# Altium PCB fyFly _cp1.PcbDoc
Units mm, origin at the board's own origin, x right, y up, seen from the top; angles counter-clockwise.
Board outline 50.08 x 64.97 mm, 4 copper layers (Top Layer, MID1, MID2, Bottom Layer), stack 0.603 mm thick; 98 components, 77 nets, 406 pads, 176 vias.
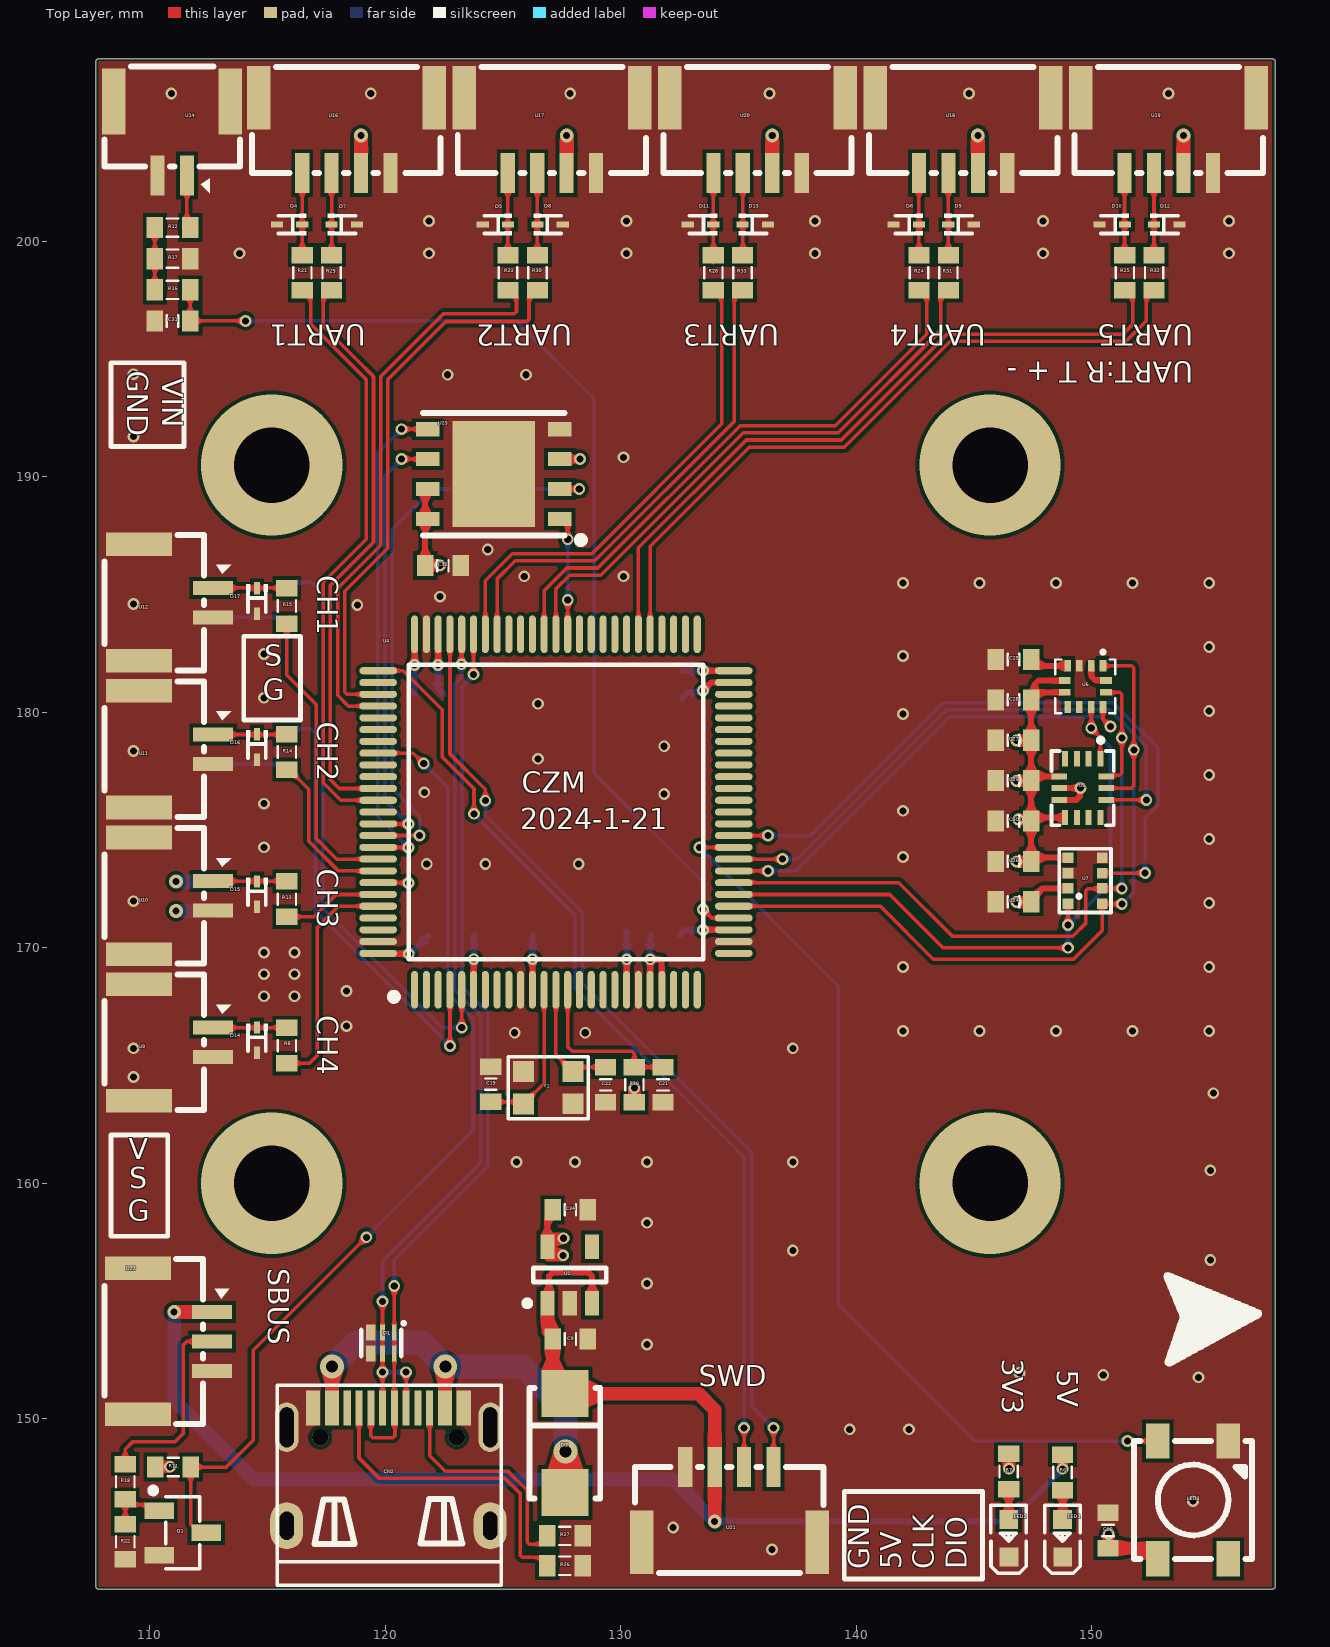
[diagram p0: Top Layer view]
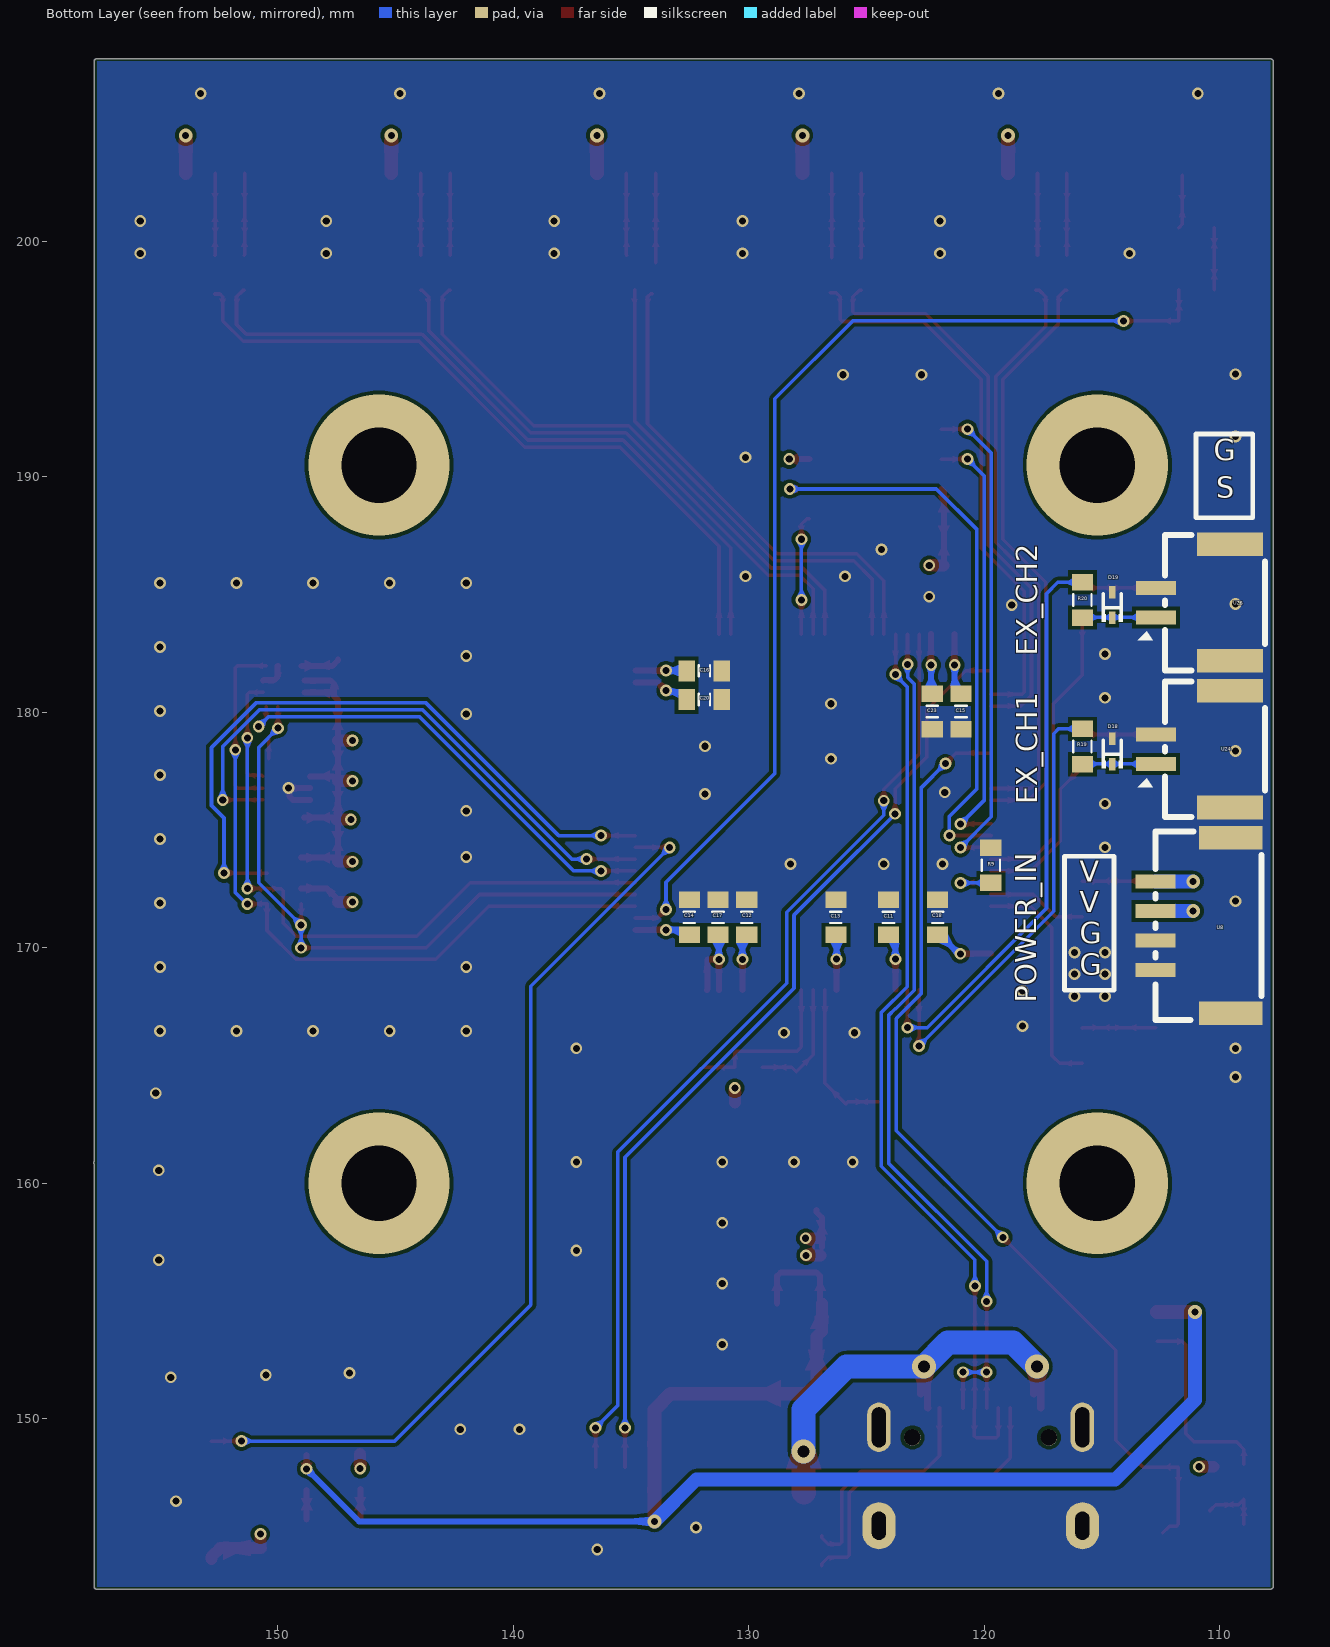
[diagram p1: Bottom Layer view, seen from below]
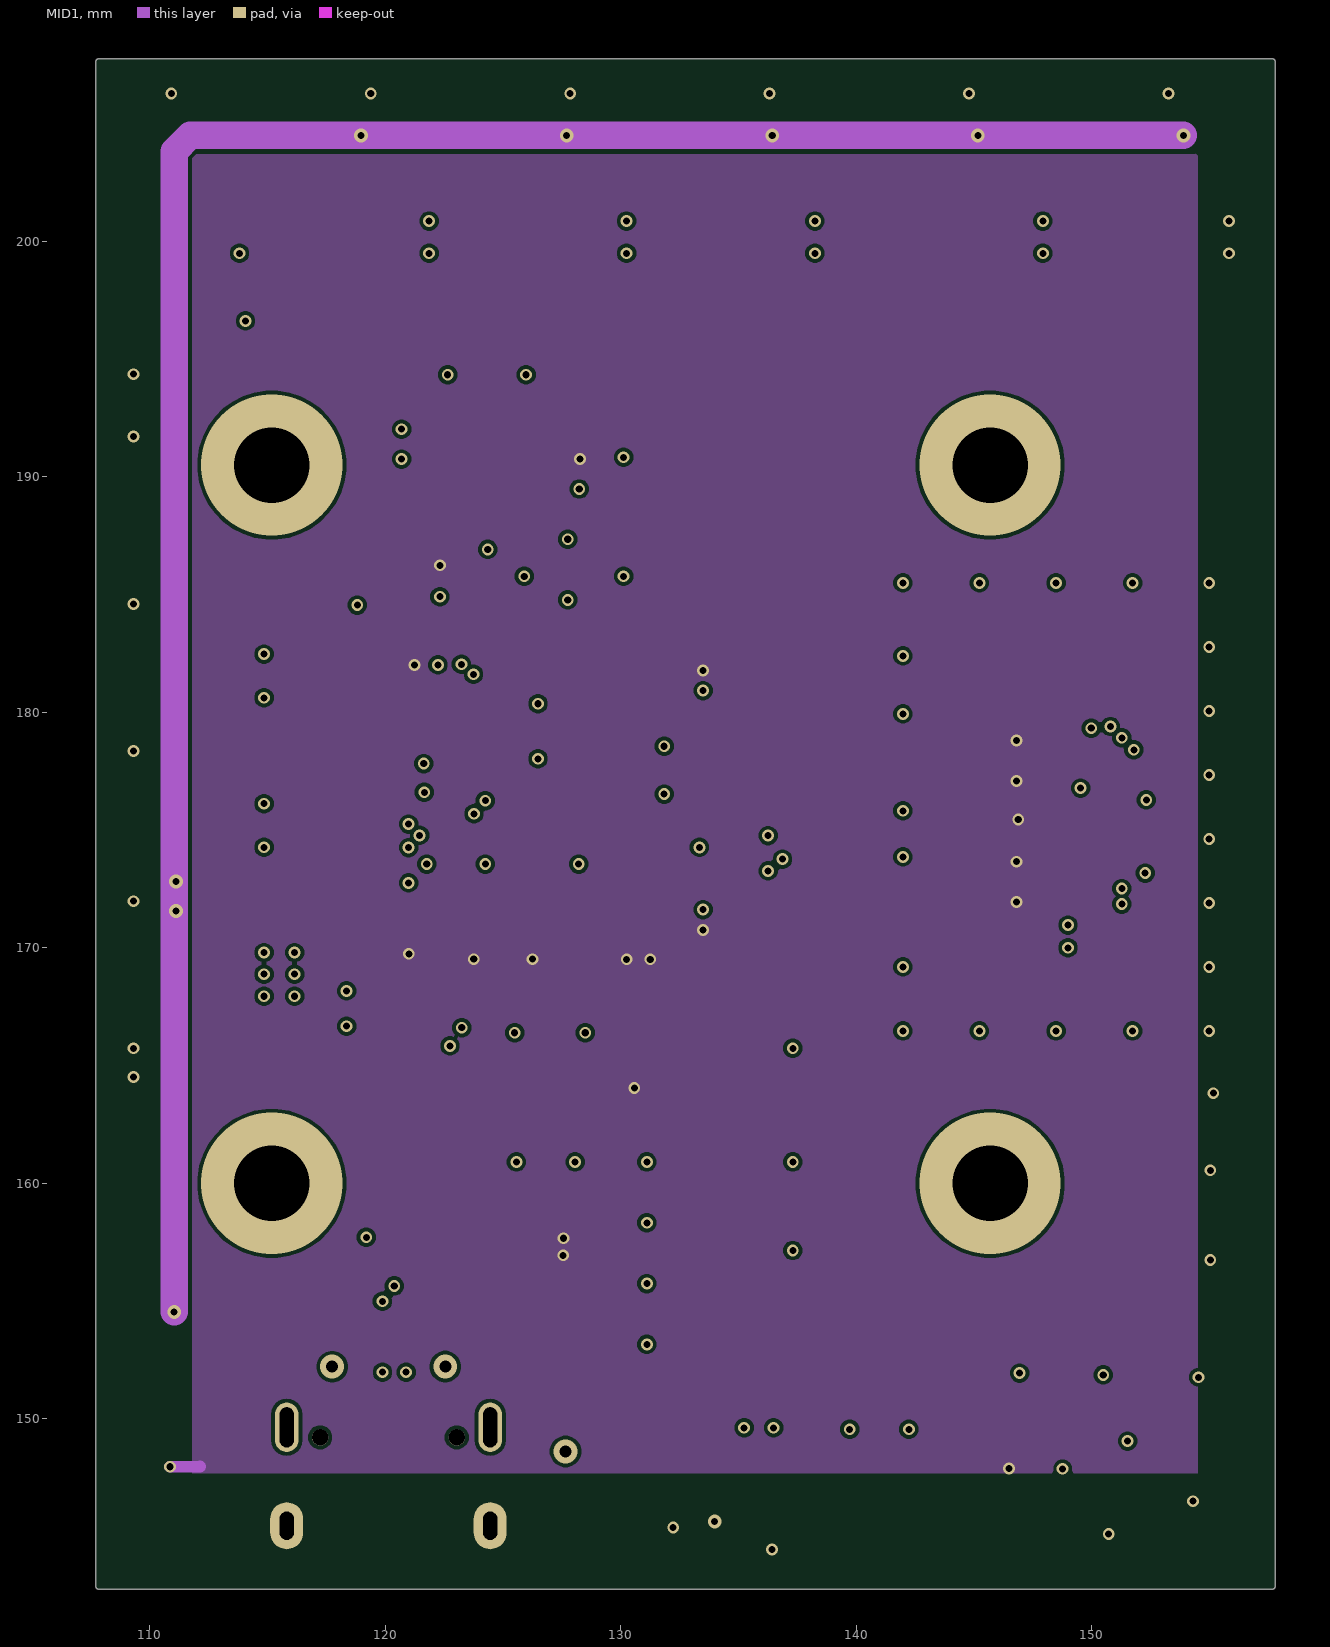
[diagram p2: MID1]
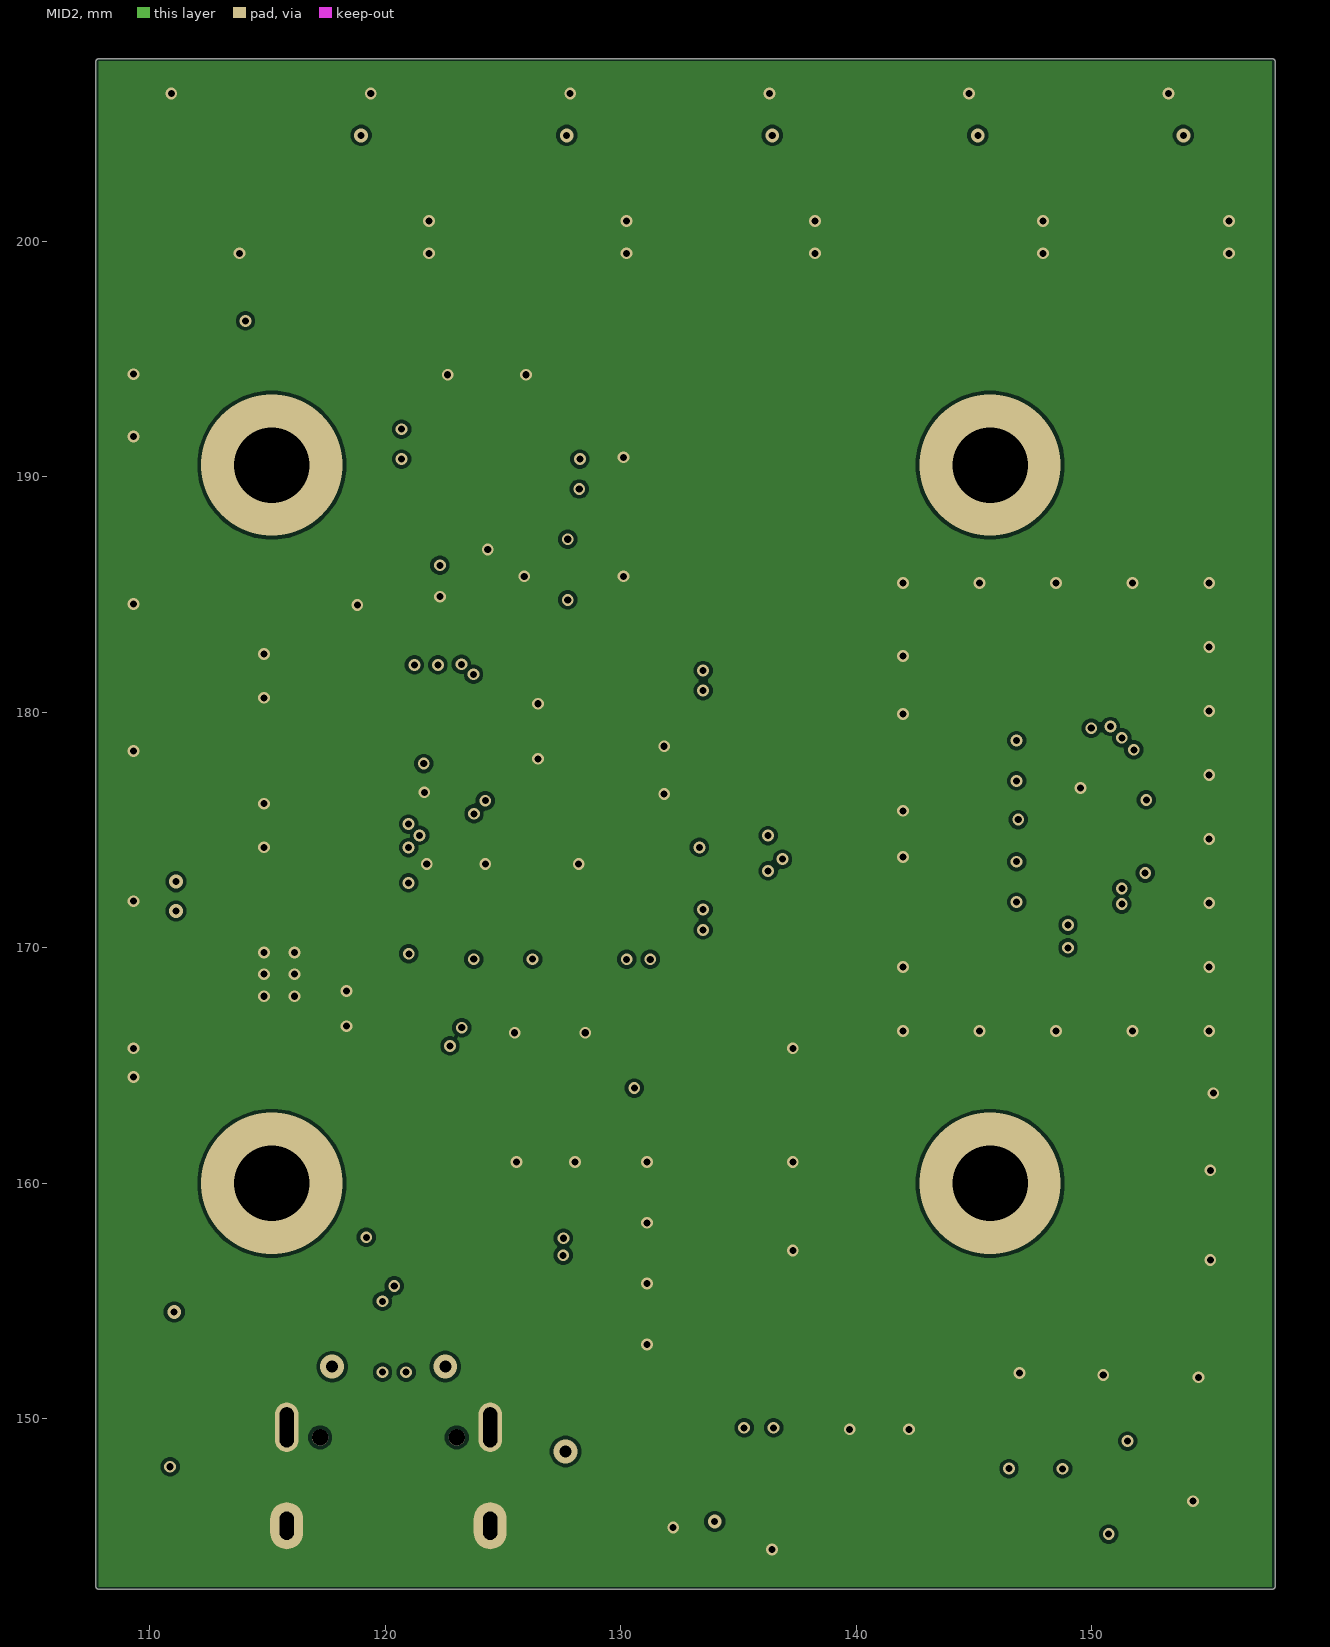
[diagram p3: MID2]
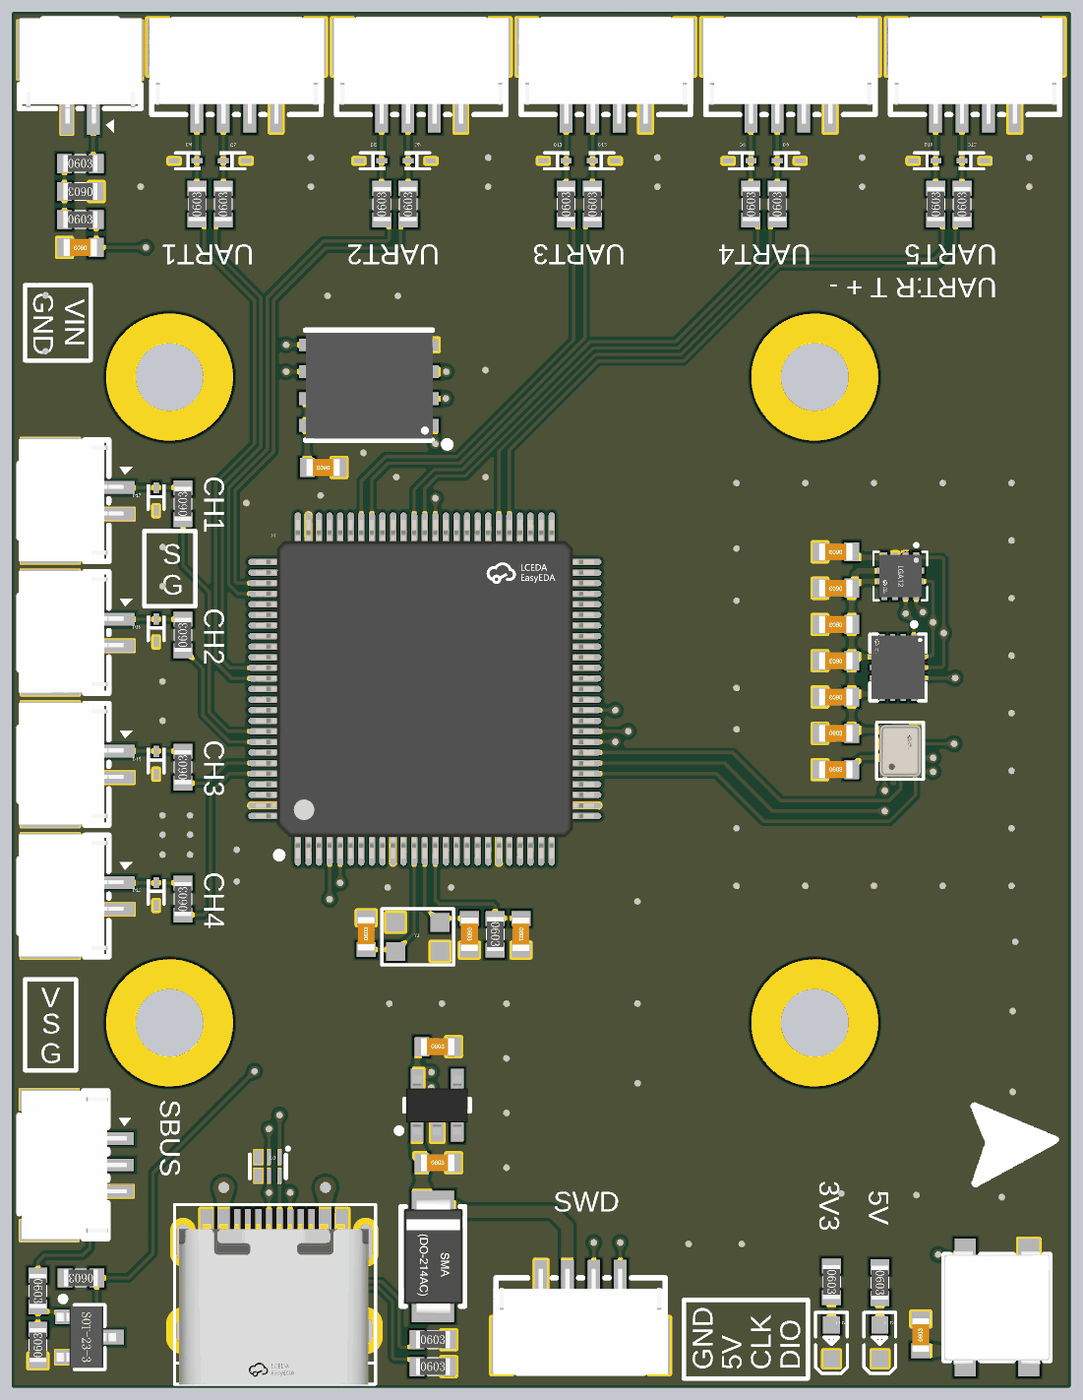
[diagram p4: 3D render of the assembled board from above, using the file's embedded part models]
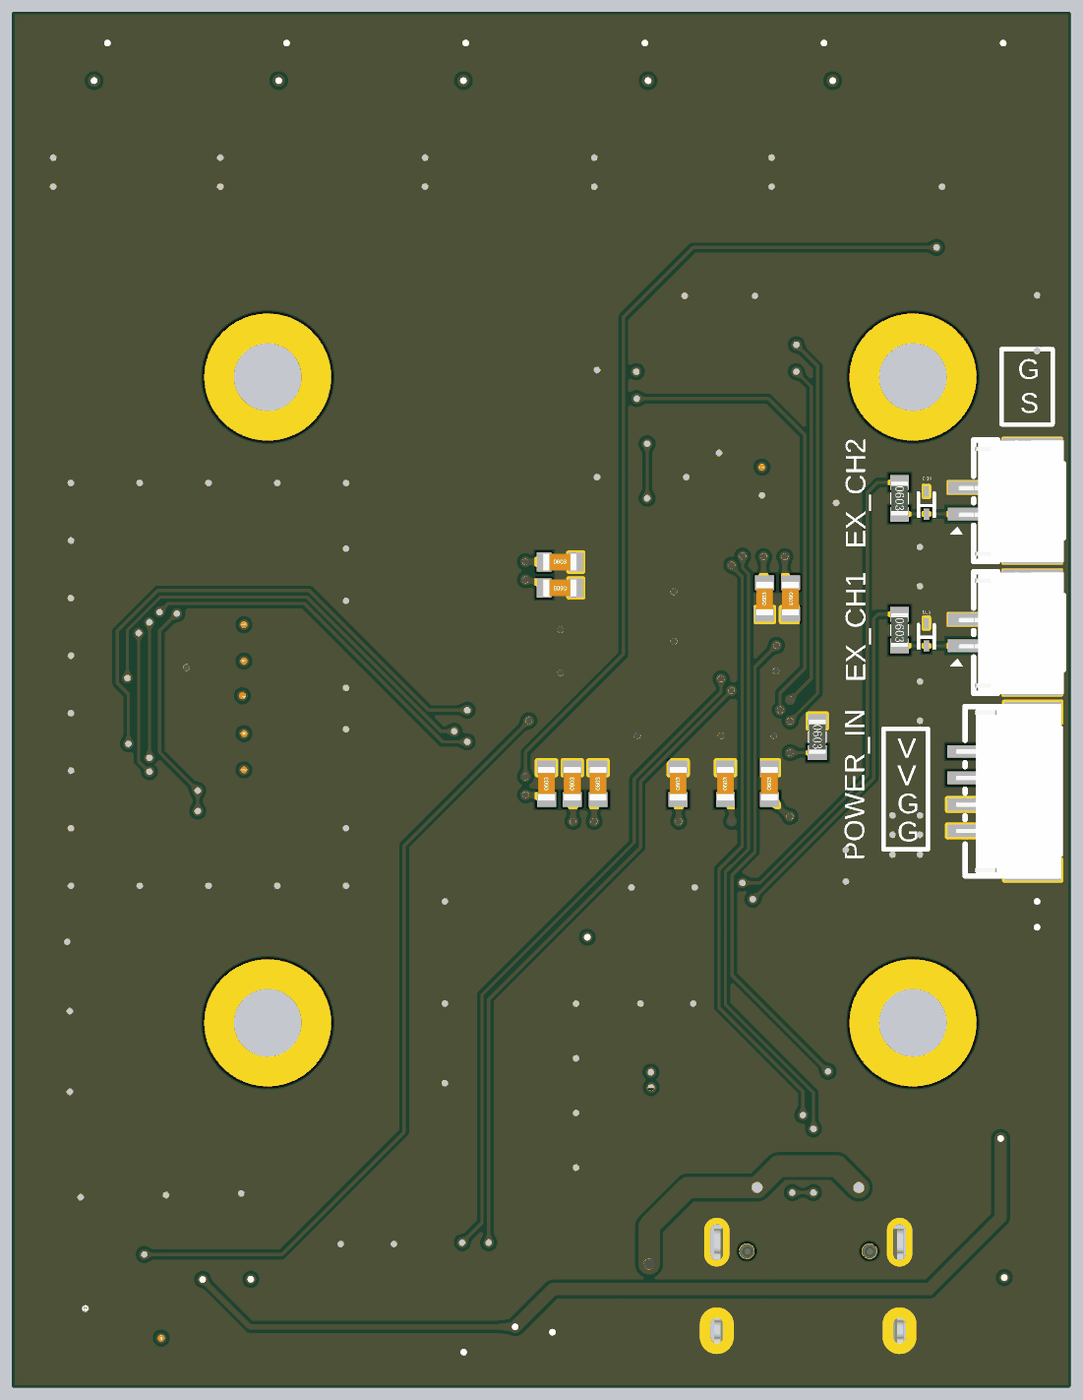
[diagram p5: 3D render of the assembled board from below, using the file's embedded part models]

## Layer stack, top to bottom
Top Solder: solder mask 0.0102, Solder Resist, Dk 3.5
Top Layer: signal copper 0.0356
Dielectric 2: prepreg 0.0711, PP-006, Dk 4.1
MID1: signal copper 0.035
Dielectric 1: dielectric 0.32, FR-4, Dk 4.8
MID2: signal copper 0.035
Dielectric 3: prepreg 0.0711, PP-006, Dk 4.1
Bottom Layer: signal copper 0.0356
Bottom Solder: solder mask 0.0102, Solder Resist, Dk 3.5

## Board outline
107.721,142.875 107.721,207.645 cw(c107.823,207.645) 107.833,207.746 cw(c107.843,207.645) 107.843,207.747 157.689,207.747 cw(c157.689,207.645) 157.791,207.645 157.791,160.913 cw(c157.696,160.877) 157.798,160.877 cw(c157.696,160.877) 157.791,160.841 157.791,142.875 cw(c157.689,142.875) 157.689,142.773 107.823,142.773 cw(c107.823,142.875)

## Design rules (kind name [scope] priority, off if disabled: settings)
Clearance [All] p1: gap=0.152 ignorepadtopadclearanceinfootprint=TRUE except(0: Arc-Hole Track-Hole SMDPad-Hole THPad-Hole Via-Hole Fill-Hole Poly-Hole Region-Hole Text-Hole)
PlaneConnect PlaneConnect_1 [InNet('NetC1_2')] p1: planeconnectstyle=Direct reliefexpansion=0.508 reliefentries=4 reliefconductorwidth=0.254 reliefairgap=0.254
PlaneConnect [All] p2: planeconnectstyle=Direct reliefexpansion=0.508 reliefentries=4 reliefconductorwidth=0.254 reliefairgap=0.254
PolygonConnect PolygonConnect_4 [InNet('VIN_GND')] p1: connectstyle=Direct reliefconductorwidth=0.254 reliefentries=4 polygonreliefangle="90 Angle" airgapwidth=0.254
PolygonConnect PolygonConnect_3 [InNet('VCC-5.0V_OUT')] p2: connectstyle=Direct reliefconductorwidth=0.254 reliefentries=4 polygonreliefangle="90 Angle" airgapwidth=0.254
PolygonConnect PolygonConnect_2 [InNet('VIN')] p3: connectstyle=Direct reliefconductorwidth=0.254 reliefentries=4 polygonreliefangle="90 Angle" airgapwidth=0.254
PolygonConnect PolygonConnect_1 [InNet('NetC1_2')] p4: connectstyle=Direct reliefconductorwidth=0.254 reliefentries=4 polygonreliefangle="90 Angle" airgapwidth=0.254
PolygonConnect [All] p5: connectstyle=Direct reliefconductorwidth=0.254 reliefentries=4 polygonreliefangle="90 Angle" airgapwidth=0.254
RoomDefinition 03_peripheral [InComponentClass('03_peripheral')] p1: confinementstyle=ConfineOut formatcopy=TRUE lockcomponents=FALSE outline 244.653,139.319 515.874,139.319 515.874,158.877 244.653,158.877
RoomDefinition 02_sensor [InComponentClass('02_sensor')] p2: confinementstyle=ConfineOut formatcopy=TRUE lockcomponents=FALSE outline 244.754,162.179 259.334,162.179 259.334,168.021 244.754,168.021
RoomDefinition 01_mcu [InComponentClass('01_mcu')] p3: confinementstyle=ConfineOut formatcopy=TRUE lockcomponents=FALSE outline 244.653,171.45 309.753,171.45 309.753,191.262 244.653,191.262
RoomDefinition 00_power [InComponentClass('00_power')] p4: confinementstyle=ConfineOut formatcopy=TRUE lockcomponents=FALSE outline 244.348,194.437 340.487,194.437 340.487,212.09 244.348,212.09
RoutingVias [All] p1: holewidth=0.3 width=0.5 viastyle="Through Hole" minholewidth=0.3 minwidth=0.5 maxholewidth=225.755 maxwidth=253.975
SolderMaskExpansion [All] p1: expansion=0.102 istentingtop=FALSE
Width [All] p1: maxlimit=253.975 minlimit=0.152 preferedwidth=0.254
29 further rules are at their usual default settings.

## Classes and differential pairs
component class 03_peripheral: C10 C31 C32 CN2 D1 D2 D4 D5 D6 D7 D8 D9 D10 D11 D12 D13 D14 D15 D16 D17 D18 D19 LED3 Q1 R8 R11 R12 R13 R14 R15 R16 R17 R18 R19 R20 R21 R22 R23 R24 R25 R26 R27 R28 R29 R30 R31 R32 R33 U9 U10 U11 U12 U16 U17 U18 U19 U20 U21 U22 U23 U24 U26
component class 02_sensor: C24 C25 C26 C27 C28 C29 C30 U5 U6 U7
component class 01_mcu: C11 C12 C13 C14 C15 C16 C17 C18 C19 C20 C21 C22 C23 R9 R10 U4 Y1
component class 00_power: C9 C34 LED1 LED2 R6 R7 U2 U8 U14
